# Altium PCB 主板.PcbDoc (part 1 of 2)
Units mm, origin at the board's own origin, x right, y up, seen from the top; angles counter-clockwise.
Board outline 152.4 x 95.25 mm, 2 copper layers (Top Layer, Bottom Layer); 206 components, 179 nets, 880 pads, 577 vias.
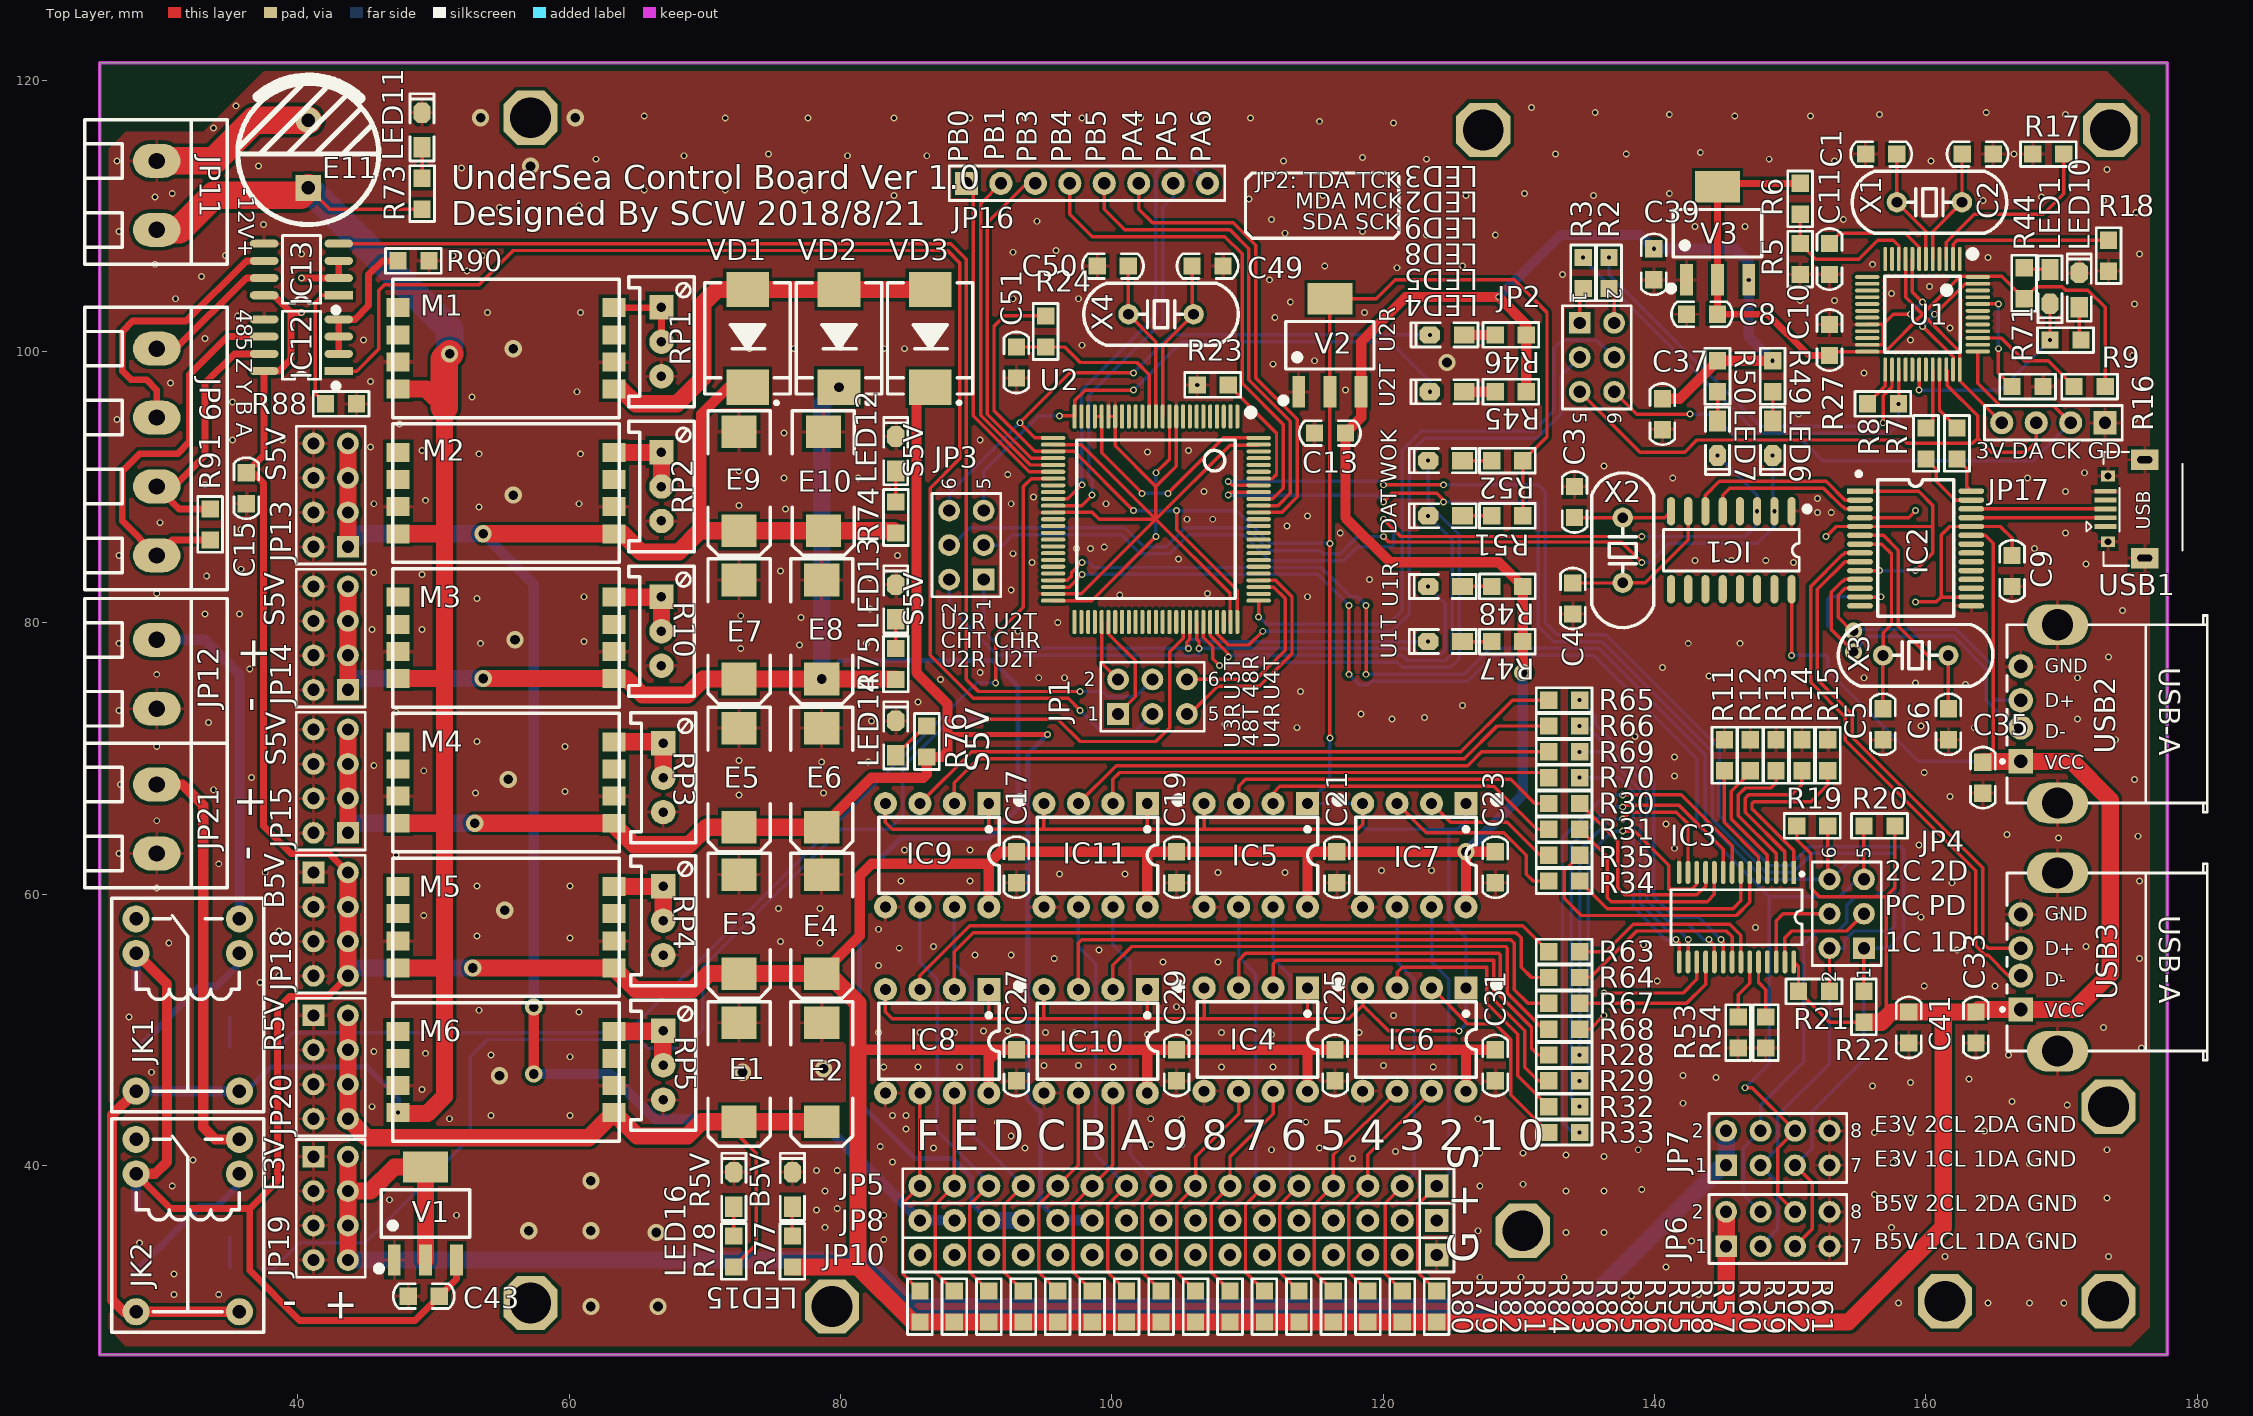
[diagram p0: Top Layer view]
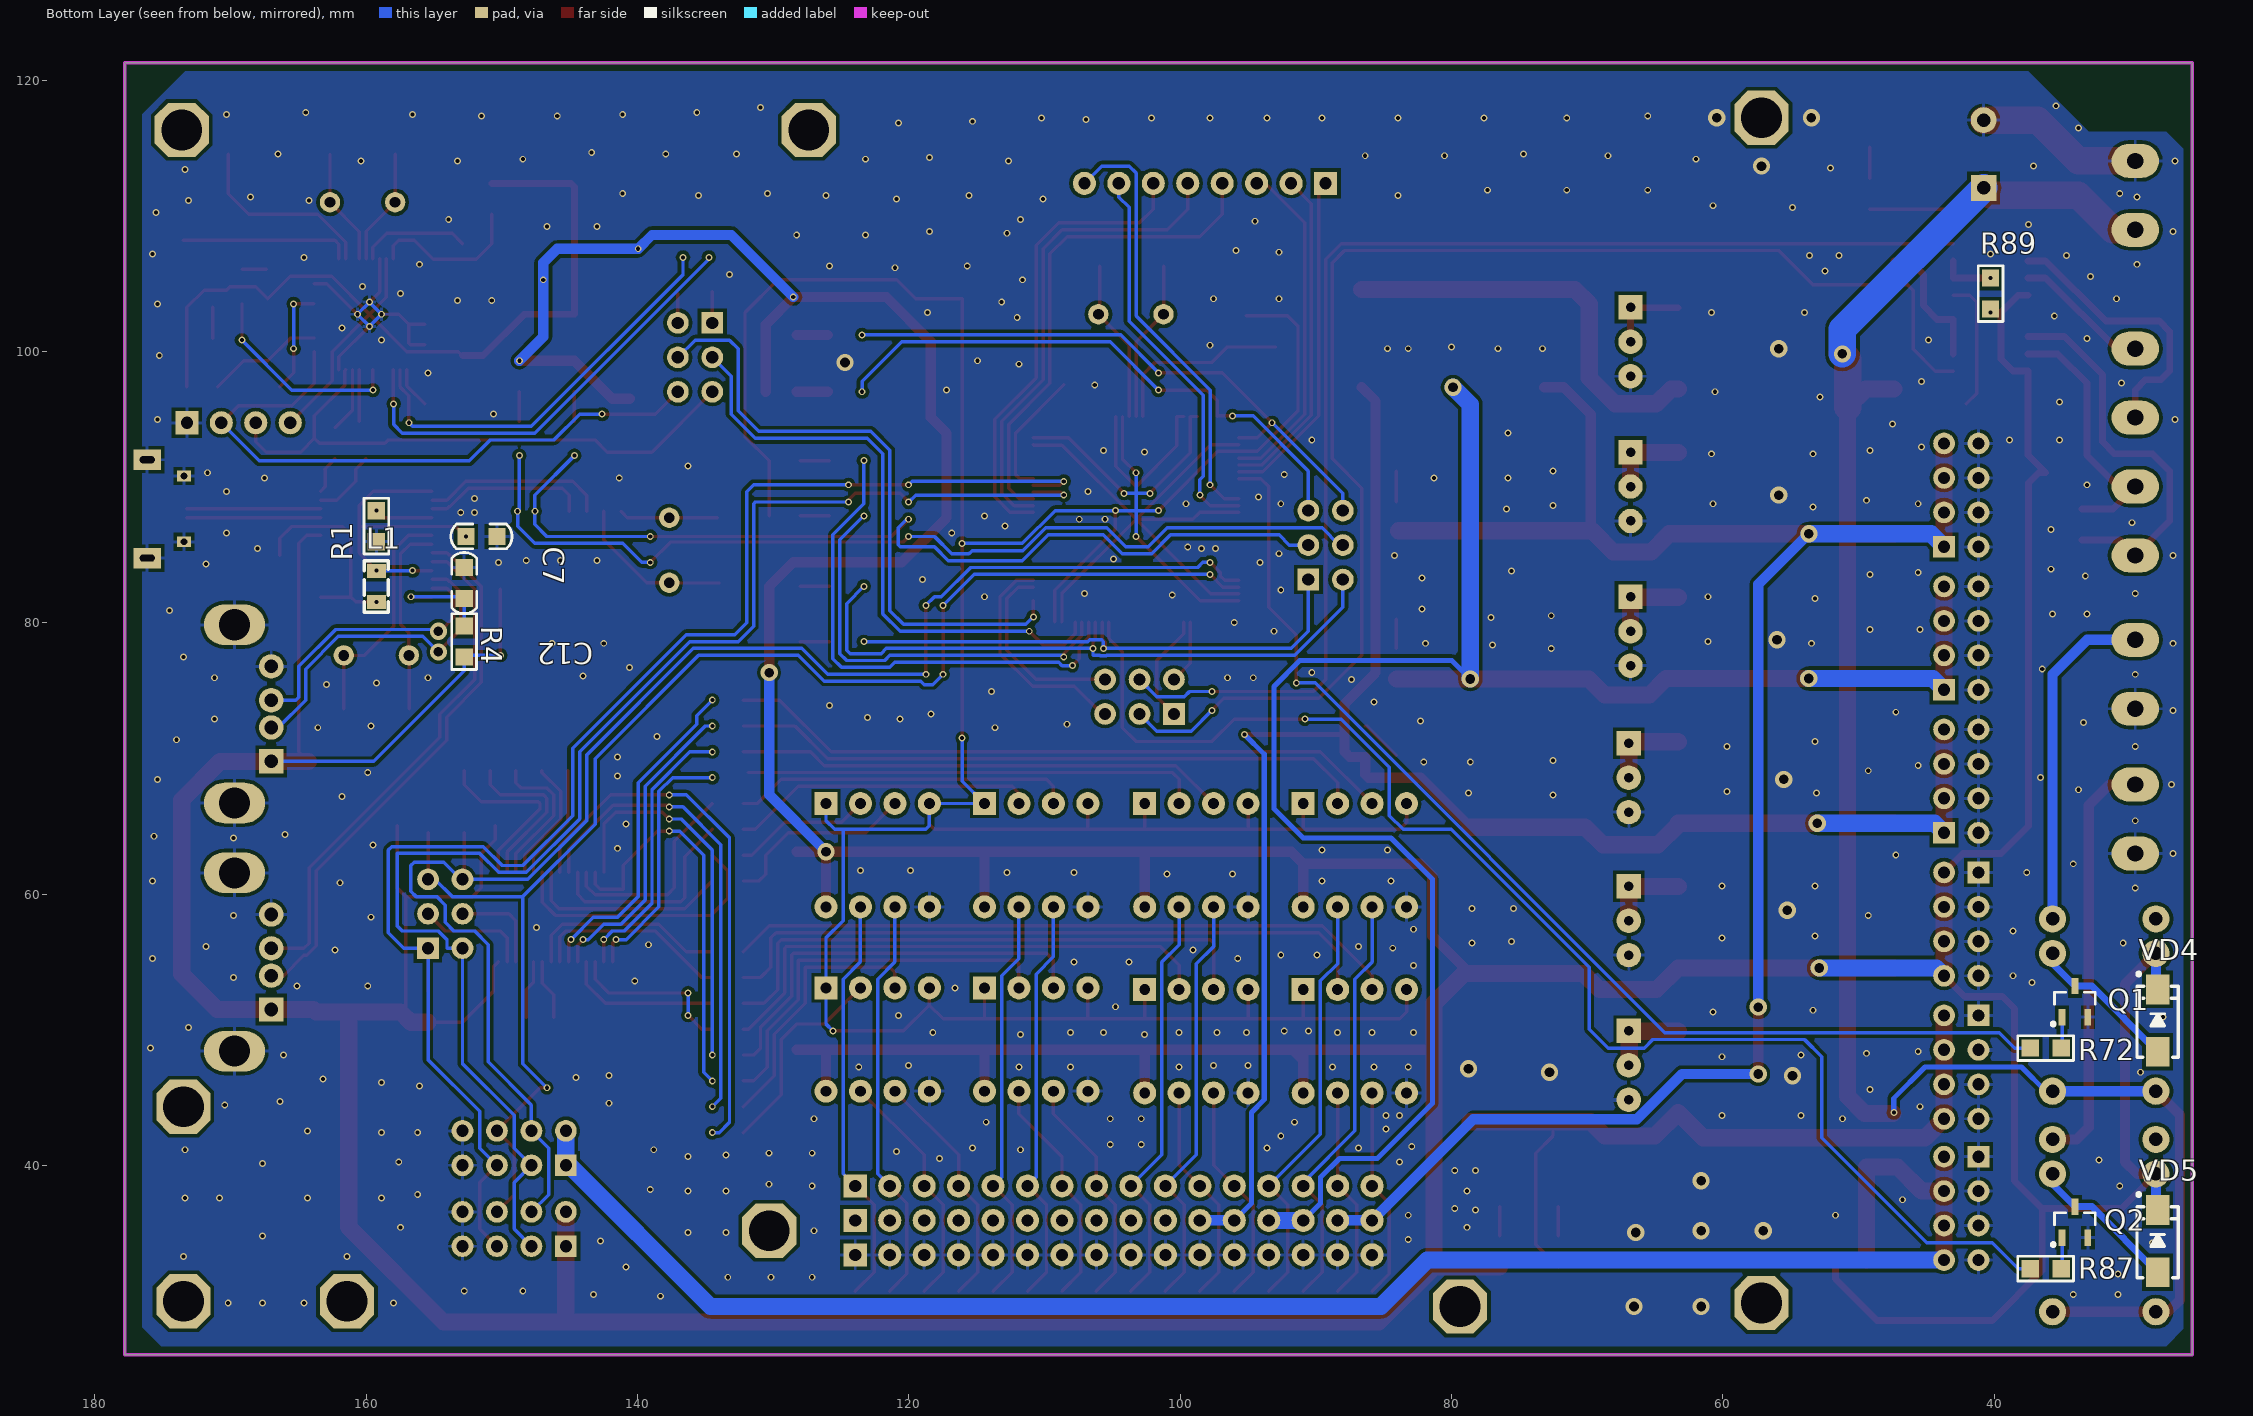
[diagram p1: Bottom Layer view, seen from below]

## Layer stack, top to bottom
Top Layer: signal copper 0.0356
Dielectric: dielectric 0.32, FR-4, Dk 4.8
Bottom Layer: signal copper 0.0356

## Board outline
25.4,26.035 25.4,121.285 177.8,121.285 177.8,26.035

## Design rules (kind name [scope] priority, off if disabled: settings)
Clearance [All] p1: gap=0.152
ComponentClearance [All] p1: gap=0 collisioncheckmode=3 verticalgap=0 showdistances=FALSE
DiffPairsRouting [All] p1: maxlimit=0.254 minlimit=0.254 mostfreqgap=0.254 maxuncoupledlength=12.7
HoleSize [All] p1: absolutevalues=TRUE maxlimit=2.54 minlimit=0.245 maxpercent=80.000 minpercent=20.000
PolygonConnect PolygonConnect_1 [IsVia] p1: connectstyle=Direct reliefconductorwidth=0.254 reliefentries=4 polygonreliefangle="90 Angle"
PolygonConnect [All] p2: connectstyle=Relief reliefconductorwidth=0.254 reliefentries=4 polygonreliefangle="90 Angle"
RoutingVias [All] p1: holewidth=0.254 width=0.508 viastyle="Through Hole" minholewidth=0.254 minwidth=0.508 maxholewidth=0.711 maxwidth=1.27
SilkToSilkClearance [All] p1: silktosilkclearance=0
SilkscreenOverComponentPads [All] p1: minsilkscreentomaskgap=0
SolderMaskExpansion [All] p1: expansion=0.102
Width [All] p1: maxlimit=2.54 minlimit=0.178 preferedwidth=0.254
23 further rules are at their usual default settings.

## Classes and differential pairs
net class PCA9685_OUT_CLASS: PCA9685_OUT0 PCA9685_OUT1 PCA9685_OUT2 PCA9685_OUT3 PCA9685_OUT4 PCA9685_OUT5 PCA9685_OUT6 PCA9685_OUT7 PCA9685_OUT8 PCA9685_OUT9 PCA9685_OUT10 PCA9685_OUT11 PCA9685_OUT12 PCA9685_OUT13 PCA9685_OUT14 PCA9685_OUT15
differential pair USB4: +USB4_P -USB4_N
differential pair USB3: +USB3_P -USB3_N
differential pair USB2: +USB2_P -USB2_N
differential pair USB1: +USB1_P -USB1_N
differential pair USB0: +USB0_P -USB0_N

## Components (designator, comment, footprint, x,y, rotation, side; value= is the part's Value field where it differs from the comment)
C1 "22" "C 0805" 156.718,114.554 r0 top
C2 "22" "C 0805" 163.83,114.554 r180 top
C3 "22" "C 0805" 134.112,88.9 r270 top
C4 "22" "C 0805" 133.985,81.788 r90 top
C5 "22" "C 0805" 156.845,72.517 r90 top
C6 "22" "C 0805" 161.671,72.517 r90 top
C7 "104" "C 0805" 152.781,82.931 r270 bottom
C8 "104" "C 0805" 143.51,102.743 r0 top
C9 "104" "C 0805" 166.37,83.82 r90 top
C10 "104" "C 0805" 152.908,100.838 r270 top
C11 "104" "C 0805" 152.908,106.807 r90 top
C12 "104" "C 0805" 151.511,86.36 r0 bottom
C13 "104" "C 0805" 116.078,93.98 r0 top
C15 "104" "C 0805" 36.195,89.916 r90 top
C17 "104" "C 0805" 92.964,61.976 r90 top
C19 "104" "C 0805" 104.775,61.976 r90 top
C21 "104" "C 0805" 116.586,61.976 r90 top
C23 "104" "C 0805" 128.27,61.976 r90 top
C25 "104" "C 0805" 116.459,47.371 r90 top
C27 "104" "C 0805" 92.964,47.371 r90 top
C29 "104" "C 0805" 104.775,47.371 r90 top
C31 "104" "C 0805" 128.27,47.371 r90 top
C33 "104" "C 0805" 163.703,50.165 r90 top
C35 "104" "C 0805" 164.211,68.58 r90 top
C37 "104" "C 0805" 140.589,95.377 r90 top
C39 "104" "C 0805" 139.954,106.426 r90 top
C41 "104" "C 0805" 158.75,50.165 r90 top
C43 "104" "C 0805" 49.276,30.353 r0 top
C49 "22" "C 0805" 107.061,106.299 r180 top
C50 "22" "C 0805" 100.076,106.299 r0 top
C51 "104" "C 0805" 92.964,99.187 r90 top
E1 "107E" "CD E(7343H)" 72.517,46.863 r90 top
E2 "107E" "CD E(7343H)" 78.613,46.863 r90 top
E3 "107E" "CD E(7343H)" 72.517,57.785 r90 top
E4 "107E" "CD E(7343H)" 78.613,57.785 r90 top
E5 "107E" "CD E(7343H)" 72.517,68.58 r90 top
E6 "107E" "CD E(7343H)" 78.613,68.58 r90 top
E7 "107E" "CD E(7343H)" 72.517,79.502 r90 top
E8 "107E" "CD E(7343H)" 78.613,79.502 r90 top
E9 "107E" "CD E(7343H)" 72.517,90.424 r90 top
E10 "107E" "CD E(7343H)" 78.74,90.424 r90 top
E11 "1000uF" "CS 5.0*10*13 - C" 40.767,114.554 r270 top
IC1 "CH340G" SOP16_M 145.669,85.344 r270 top
IC2 "GL850" SSOP28_M 159.258,85.471 r0 top locked
IC3 "PCA9685" TSSOP28_M 146.05,58.293 r270 top locked
IC4 "HCPL2630" DIP8-300 110.617,49.276 r270 top
IC5 "HCPL2630" DIP8-300 110.617,62.865 r270 top
IC6 "HCPL2630" DIP8-300 122.301,49.276 r270 top
IC7 "HCPL2630" DIP8-300 122.301,62.865 r270 top
IC8 "HCPL2630" DIP8-300 87.122,49.149 r270 top
IC9 "HCPL2630" DIP8-300 87.122,62.865 r270 top
IC10 "HCPL2630" DIP8-300 98.806,49.149 r270 top
IC11 "HCPL2630" DIP8-300 98.806,62.865 r270 top
IC12 "MAX485" SOP8_M 40.259,100.457 r180 top
IC13 "MAX485" SOP8_M 40.259,106.045 r180 top
JK1 "HK4100F-DC5V-SHG" HK4100F 31.877,51.816 r270 top
JK2 "HK4100F-DC5V-SHG" HK4100F 31.877,35.56 r270 top
JP1 "Header3X2" HDR-3X2 100.457,73.279 r0 top
JP2 "Header3X2" HDR-3X2 134.493,102.108 r270 top
JP3 "Header3X2" HDR-3X2 90.551,83.185 r90 top
JP4 "Header3X2" HDR-3X2 155.448,56.007 r90 top
JP5 "HDR-1X16" HDR-1X16 123.952,38.481 r180 top
JP6 "Header 4X2" HDR-4X2 145.288,34.036 r0 top
JP7 "Header 4X2" HDR-4X2 145.288,40.005 r0 top
JP8 "HDR-1X16" HDR-1X16 123.952,35.941 r180 top
JP9 "HDR-1X4" KF128-5.08-4P 29.591,100.203 r270 top
JP10 "HDR-1X16" HDR-1X16 123.952,33.401 r180 top
JP11 "HDR-1X2" KF128-5.08-2P 29.591,114.046 r270 top
JP12 "HDR-1X2" KF128-5.08-2P 29.591,78.74 r270 top
JP13 "Header 4X2" HDR-4X2 43.688,85.598 r90 top
JP14 "Header 4X2" HDR-4X2 43.688,75.057 r90 top
JP15 "Header 4X2" HDR-4X2 43.688,64.516 r90 top
JP16 "HDR-1X8" HDR-1X8 89.281,112.395 r0 top
JP17 "HDR-1X4" HDR-1X4 173.228,94.742 r180 top
JP18 "Header 4X2" HDR-4X2 41.148,61.595 r270 top
JP19 "Header 4X2" HDR-4X2 41.148,40.64 r270 top
JP20 "Header 4X2" HDR-4X2 41.148,51.054 r270 top
JP21 "HDR-1X2" KF128-5.08-2P 29.591,68.072 r270 top
L1 "10um" "L 0805" 159.258,82.677 r90 bottom
LED1 "红色" "LED 0805G" 169.164,104.775 r270 top
LED2 "红色" "LED 0805G" 124.714,97.028 r180 top
LED3 "红色" "LED 0805G" 124.714,101.219 r180 top
LED4 "红色" "LED 0805G" 124.587,78.613 r180 top
LED5 "红色" "LED 0805G" 124.587,82.677 r180 top
LED6 "红色" "LED 0805G" 148.717,93.599 r270 top
LED7 "红色" "LED 0805G" 144.653,93.599 r270 top
LED8 "红色" "LED 0805G" 124.587,87.884 r180 top
LED9 "红色" "LED 0805G" 124.587,91.948 r180 top
LED10 "红色" "LED 0805G" 171.323,104.521 r90 top
LED11 "红色" "LED 0805G" 49.149,116.332 r90 top
LED12 "红色" "LED 0805G" 84.074,92.456 r90 top
LED13 "红色" "LED 0805G" 84.074,81.534 r90 top
LED14 "红色" "LED 0805G" 84.074,71.501 r90 top
LED15 "红色" "LED 0805G" 76.454,38.227 r90 top
LED16 "红色" "LED 0805G" 72.136,38.227 r90 top
M1 "FPDK12SR8006PSV" FPDK12SR8006PSV 46.99,95.123 r0 top
M2 "FPDK12SR8006PSV" FPDK12SR8006PSV 46.99,84.455 r0 top
M3 "FPDK12SR8006PSV" FPDK12SR8006PSV 46.99,73.787 r0 top
M4 "FPDK12SR8006PSV" FPDK12SR8006PSV 46.99,63.119 r0 top
M5 "FPDK12SR8006PSV" FPDK12SR8006PSV 46.99,52.451 r0 top
M6 "FPDK12SR8006PSV" FPDK12SR8006PSV 46.99,41.783 r0 top
Q1 "SS8050" SOT23-3N 34.036,52.07 r180 bottom
Q2 "SS8050" SOT23-3N 34.036,35.814 r180 bottom
R1 "650" "R 0805" 159.258,87.122 r90 bottom
R2 "22" "R 0805" 136.652,105.791 r270 top
R3 "22" "R 0805" 134.747,105.791 r270 top
R4 "10K" "R 0805" 152.781,78.613 r90 bottom
R5 "4K7" "R 0805" 150.749,106.807 r90 top
R6 "4K7" "R 0805" 150.749,111.252 r90 top
R7 "22" "R 0805" 162.306,93.218 r90 top
R8 "22" "R 0805" 160.02,93.218 r90 top
R9 "10K" "R 0805" 167.513,97.409 r180 top
R10 "1K" 3296W 66.802,79.375 r270 top
R11 "10K" "R 0805" 145.161,70.231 r270 top
R12 "10K" "R 0805" 147.066,70.231 r270 top
R13 "10K" "R 0805" 148.971,70.231 r270 top
R14 "10K" "R 0805" 150.876,70.231 r270 top
R15 "10K" "R 0805" 152.781,70.231 r270 top
R16 "1K" "R 0805" 172.085,97.409 r0 top
R17 "1K" "R 0805" 169.037,114.554 r180 top
R18 "1K" "R 0805" 173.482,107.061 r270 top
R19 "1K" "R 0805" 151.638,65.024 r180 top
R20 "1K" "R 0805" 156.591,65.024 r0 top
R21 "1K" "R 0805" 151.765,52.832 r180 top
R22 "1K" "R 0805" 155.448,51.689 r270 top
R23 "1K" "R 0805" 107.442,97.536 r180 top
R24 "1K" "R 0805" 95.123,101.473 r90 top
R27 "100" "R 0805" 156.845,96.139 r180 top
R28 "100" "R 0805" 133.35,48.133 r180 top
R29 "100" "R 0805" 133.35,46.228 r180 top
R30 "100" "R 0805" 133.35,66.675 r180 top
R31 "100" "R 0805" 133.35,64.77 r180 top
R32 "100" "R 0805" 133.35,44.323 r180 top
R33 "100" "R 0805" 133.35,42.418 r180 top
R34 "100" "R 0805" 133.35,60.96 r180 top
R35 "100" "R 0805" 133.35,62.865 r180 top
R44 "1K" "R 0805" 167.259,105.029 r270 top
R45 "1K" "R 0805" 129.413,97.028 r0 top
R46 "1K" "R 0805" 129.413,101.219 r0 top
R47 "1K" "R 0805" 129.159,78.613 r0 top
R48 "1K" "R 0805" 129.159,82.677 r0 top
R49 "1K" "R 0805" 148.717,98.171 r90 top
R50 "1K" "R 0805" 144.653,98.171 r90 top
R51 "1K" "R 0805" 129.159,87.884 r0 top
R52 "1K" "R 0805" 129.159,91.948 r0 top
R53 "10K" "R 0805" 146.177,49.784 r270 top
R54 "10K" "R 0805" 148.209,49.784 r270 top
R55 "100" "R 0805" 108.712,29.591 r90 top
R56 "100" "R 0805" 106.172,29.591 r90 top
R57 "100" "R 0805" 113.792,29.591 r90 top
R58 "100" "R 0805" 111.252,29.591 r90 top
R59 "100" "R 0805" 118.872,29.591 r90 top
R60 "100" "R 0805" 116.332,29.591 r90 top
R61 "100" "R 0805" 123.952,29.591 r90 top
R62 "100" "R 0805" 121.412,29.591 r90 top
R63 "100" "R 0805" 133.35,55.753 r180 top
R64 "100" "R 0805" 133.35,53.848 r180 top
R65 "100" "R 0805" 133.35,74.295 r180 top
R66 "100" "R 0805" 133.35,72.39 r180 top
R67 "100" "R 0805" 133.35,51.943 r180 top
R68 "100" "R 0805" 133.35,50.038 r180 top
R69 "100" "R 0805" 133.35,70.485 r180 top
R70 "100" "R 0805" 133.35,68.58 r180 top
R71 "1K" "R 0805" 170.307,100.838 r180 top
R72 "510" "R 0805" 36.195,48.641 r180 bottom
R73 "1K" "R 0805" 49.149,111.633 r270 top
R74 "1K" "R 0805" 84.074,87.757 r270 top
R75 "1K" "R 0805" 84.074,76.962 r270 top
R76 "1K" "R 0805" 86.36,71.247 r270 top
R77 "1K" "R 0805" 76.454,33.655 r270 top
R78 "1K" "R 0805" 72.136,33.655 r270 top
R79 "100" "R 0805" 88.392,29.591 r90 top
R80 "100" "R 0805" 85.852,29.591 r90 top
R81 "100" "R 0805" 93.472,29.591 r90 top
R82 "100" "R 0805" 90.932,29.591 r90 top
R83 "100" "R 0805" 98.552,29.591 r90 top
R84 "100" "R 0805" 96.012,29.591 r90 top
R85 "100" "R 0805" 103.632,29.591 r90 top
R86 "100" "R 0805" 101.092,29.591 r90 top
R87 "510" "R 0805" 36.195,32.385 r180 bottom
R88 "1K" "R 0805" 43.18,96.139 r0 top
R89 "1K" "R 0805" 40.259,104.267 r90 bottom
R90 "1K" "R 0805" 48.514,106.68 r180 top
R91 "120" "R 0805" 33.528,87.249 r90 top
RP1 "1K" 3296W 66.802,100.711 r270 top
RP2 "1K" 3296W 66.802,90.043 r270 top
RP3 "1K" 3296W 66.929,68.58 r270 top
RP4 "1K" 3296W 66.929,58.039 r270 top
RP5 "1K" 3296W 66.929,47.371 r270 top
U1 "STM32F103C8T6" "LQFP48 7X7_N" 159.766,102.743 r180 top locked
U2 "STM32F103V" "LQFP100 14X14_N" 103.251,87.63 r180 top locked
USB1 "USB-5P" USB-MICRO_B 176.149,88.392 r90 top
USB2 "USB" USB-A/S_A 167.005,73.279 r0 top
USB3 "USB" USB-A/S_A 167.005,54.991 r0 top
V1 "AMS1117-3V3" SOT223_M 49.403,36.449 r0 top
V2 "AMS1117-3V3" SOT223_M 116.078,100.457 r0 top
V3 "AMS1117-3V3" SOT223_M 144.653,108.712 r0 top
VD1 "SS34" SMC 73.152,100.965 r270 top
VD2 "SS34" SMC 79.883,100.965 r270 top
VD3 "SS34" SMC 86.614,100.965 r270 top
VD4 "M7" SMA 27.94,50.673 r90 bottom
VD5 "M7" SMA 27.94,34.417 r90 bottom
X1 "8MHz" "XTAL-49S DIP" 160.274,110.998 r0 top
X2 "12MHz" "XTAL-49S DIP" 137.668,85.344 r270 top
X3 "12MHz" "XTAL-49S DIP" 159.258,77.597 r180 top
X4 "8MHz" "XTAL-49S DIP" 103.632,102.743 r180 top

## Footprints (in the part's own frame and the unit in brackets; to place one, negate y for a bottom-side part, rotate by r counter-clockwise, add the part's x,y. Pads: shape width x height; smd on the part's side, far side on the other; paste and mask are expansions set on the pad)
3296W [mm] "Precise Multi-Winding Ad"
  rect 1.8x1.8 hole 0.7: 1(-2.54,0)
  round 1.8 hole 0.7: 2(0,0) 3(2.54,0)
  silkscreen extent -4.8,-2.4 4.8,2.4, body extent -4.75,-2.4 4.75,2.4, height 11.52
"C 0805" [mil]
  rect 50x50 smd: 1(-45,0) 2(45,0)
  silkscreen extent -89,-36 89,36, body extent -39,-24 39,24, height 20
"CD E(7343H)" [mm] "长7.3m"
  rect 2.4x2.6 smd: 1(-3.65,0) 2(3.65,0)
  silkscreen extent -5.46,-2.29 5.21,2.29, body extent -3.65,-2.15 3.65,2.15, height 4
"CS 5.0*10*13 - C" [mm] "脚距5mm"
  rect 1.9x1.9 hole 1: 1(2.5,0)
  round 1.9 hole 1: 2(-2.5,0)
  silkscreen extent -5.64,-5.2 5.2,5.2, body extent -5,-5 5,5, height 13.02
DIP8-300 [mm] "9.4*7.6*"
  rect 1.7x1.7 hole 0.8: 1(-3.81,3.81)
  round 1.7 hole 0.8: 2(-3.81,1.27) 3(-3.81,-1.27) 4(-3.81,-3.81) 5(3.81,-3.81) 6(3.81,-1.27) 7(3.81,1.27) 8(3.81,3.81)
  silkscreen extent -4.32,-4.32 2.79,6.35, body extent -3.93,-4.7 3.93,4.7, height 4.5
FPDK12SR8006PSV [mm]
  rect 1.7x1.4 smd: 1(0.4,2.1) 2(0.4,4.1) 3(0.4,6.1) 4(0.4,8.1) 5(16.3,8.1) 6(16.3,6.1) 7(16.3,4.1) 8(16.3,2.1)
  silkscreen extent 0,0 16.7,10.2
HDR-1X4 [mm]
  rect 1.7x1.7 hole 0.9: 1(0,0)
  round 1.7 hole 0.9: 2(2.54,0) 3(5.08,0) 4(7.62,0)
  silkscreen extent -1.27,-1.27 8.89,1.27, body extent -1.27,-1.27 8.89,1.27, height 8.5
HDR-1X8 [mm]
  rect 1.7x1.7 hole 0.9: 1(0,0)
  round 1.7 hole 0.9: 2(2.54,0) 3(5.08,0) 4(7.62,0) 5(10.16,0) 6(12.7,0) 7(15.24,0) 8(17.78,0)
  silkscreen extent -1.27,-1.27 19.05,1.27, body extent -1.27,-1.27 19.05,1.27, height 8.5
HDR-1X16 [mm]
  rect 1.7x1.7 hole 0.9: 1(0,0)
  round 1.7 hole 0.9: 2(2.54,0) 3(5.08,0) 4(7.62,0) 5(10.16,0) 6(12.7,0) 7(15.24,0) 8(17.78,0) 9(20.32,0) 10(22.86,0) 11(25.4,0) 12(27.94,0) 13(30.48,0) 14(33.02,0) 15(35.56,0) 16(38.1,0)
  silkscreen extent -1.27,-1.27 39.37,1.27, body extent -1.27,-1.27 39.37,1.27, height 8.5
HDR-3X2 [mm]
  rect 1.6x1.6 hole 0.9: 1(0,0)
  round 1.6 hole 0.9: 2(0,2.54) 3(2.54,0) 4(2.54,2.54) 5(5.08,0) 6(5.08,2.54)
  silkscreen extent -1.27,-1.27 6.35,3.81, body extent -1.27,-1.27 6.35,3.81, height 8.5
HDR-4X2 [mm]
  rect 1.6x1.6 hole 0.9: 1(0,0)
  round 1.6 hole 0.9: 2(0,2.54) 3(2.54,0) 4(2.54,2.54) 5(5.08,0) 6(5.08,2.54) 7(7.62,0) 8(7.62,2.54)
  silkscreen extent -1.27,-1.27 8.89,3.81, body extent -1.27,-1.27 8.89,3.81, height 8.5
HK4100F [mm]
  round 2 hole 1: 1(-3.81,3.81) 2(-3.81,-3.81) 3(6.35,3.81) 3(6.35,-3.81) 4(-6.35,3.81) 5(-6.35,-3.81)
  silkscreen extent -7.87,-5.61 7.87,5.61, body extent -7.75,-5.5 7.75,5.5, height 12.2
KF128-5.08-2P [mm] "ÂÝ¶¤Ê"
  oval 2.5x3.5 hole 1.2: 1(0,0) 2(5.08,0)
  silkscreen extent -3.05,-5.31 7.62,5.21, body extent -3.04,-5.3 7.62,5.2, height 14.15